# Altium PCB RT_SUPER_HOST.pcbdoc
Units mil, origin at the board's own origin, x right, y up, seen from the top; angles counter-clockwise.
Board outline 6000.21 x 6000.21 mil, 2 copper layers (Top Layer, Bottom Layer), stack 95.8 mil thick; 64 components, 93 nets, 445 pads, 0 vias.
Unrouted connection lines stored in the file: 254.
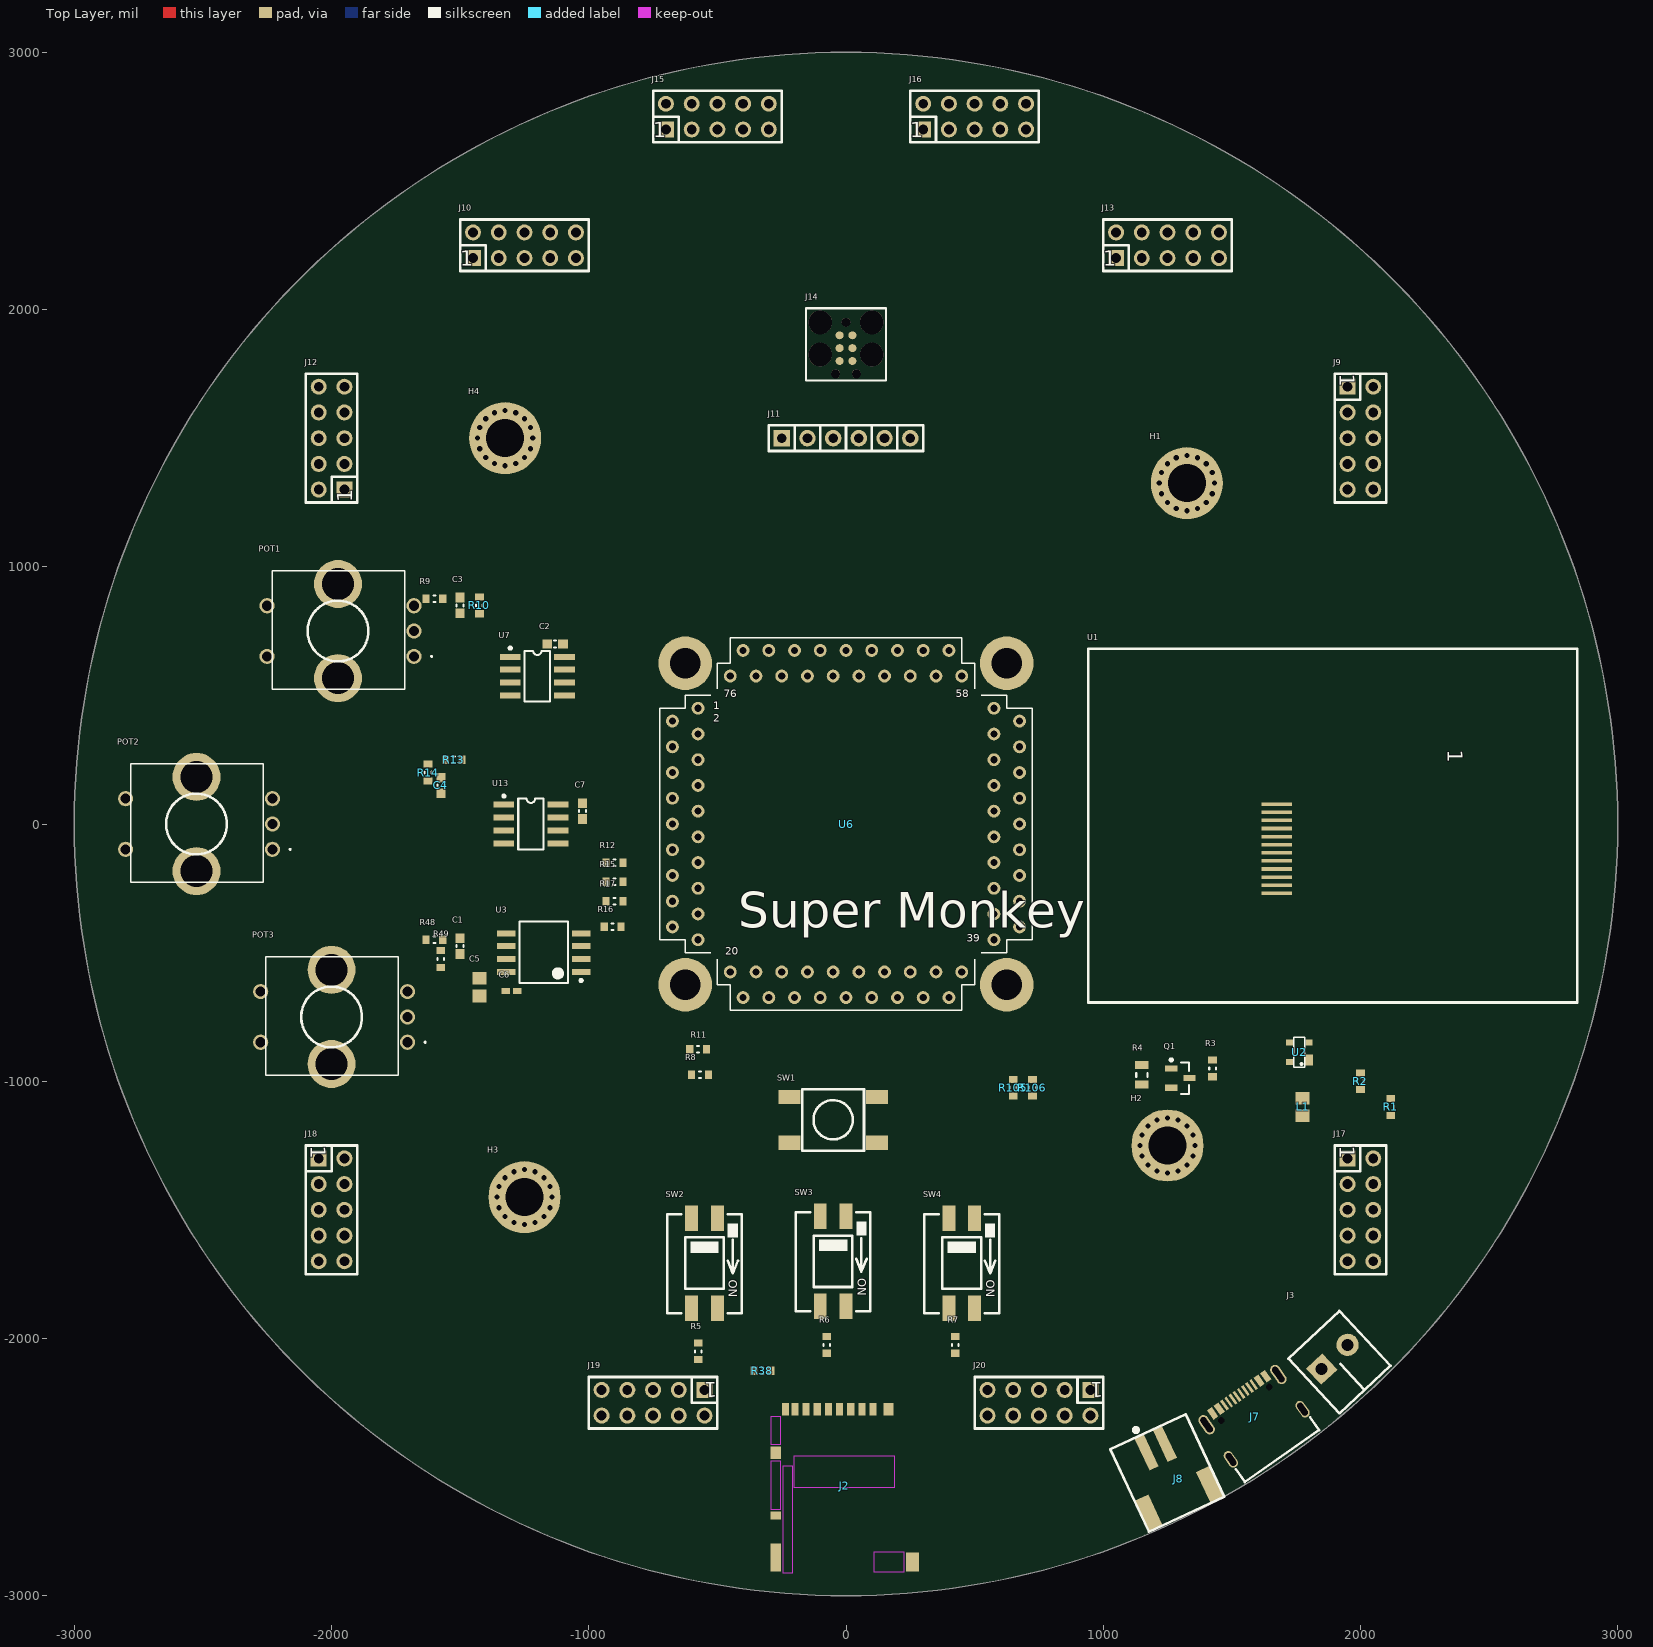
[diagram p0: Top Layer view]
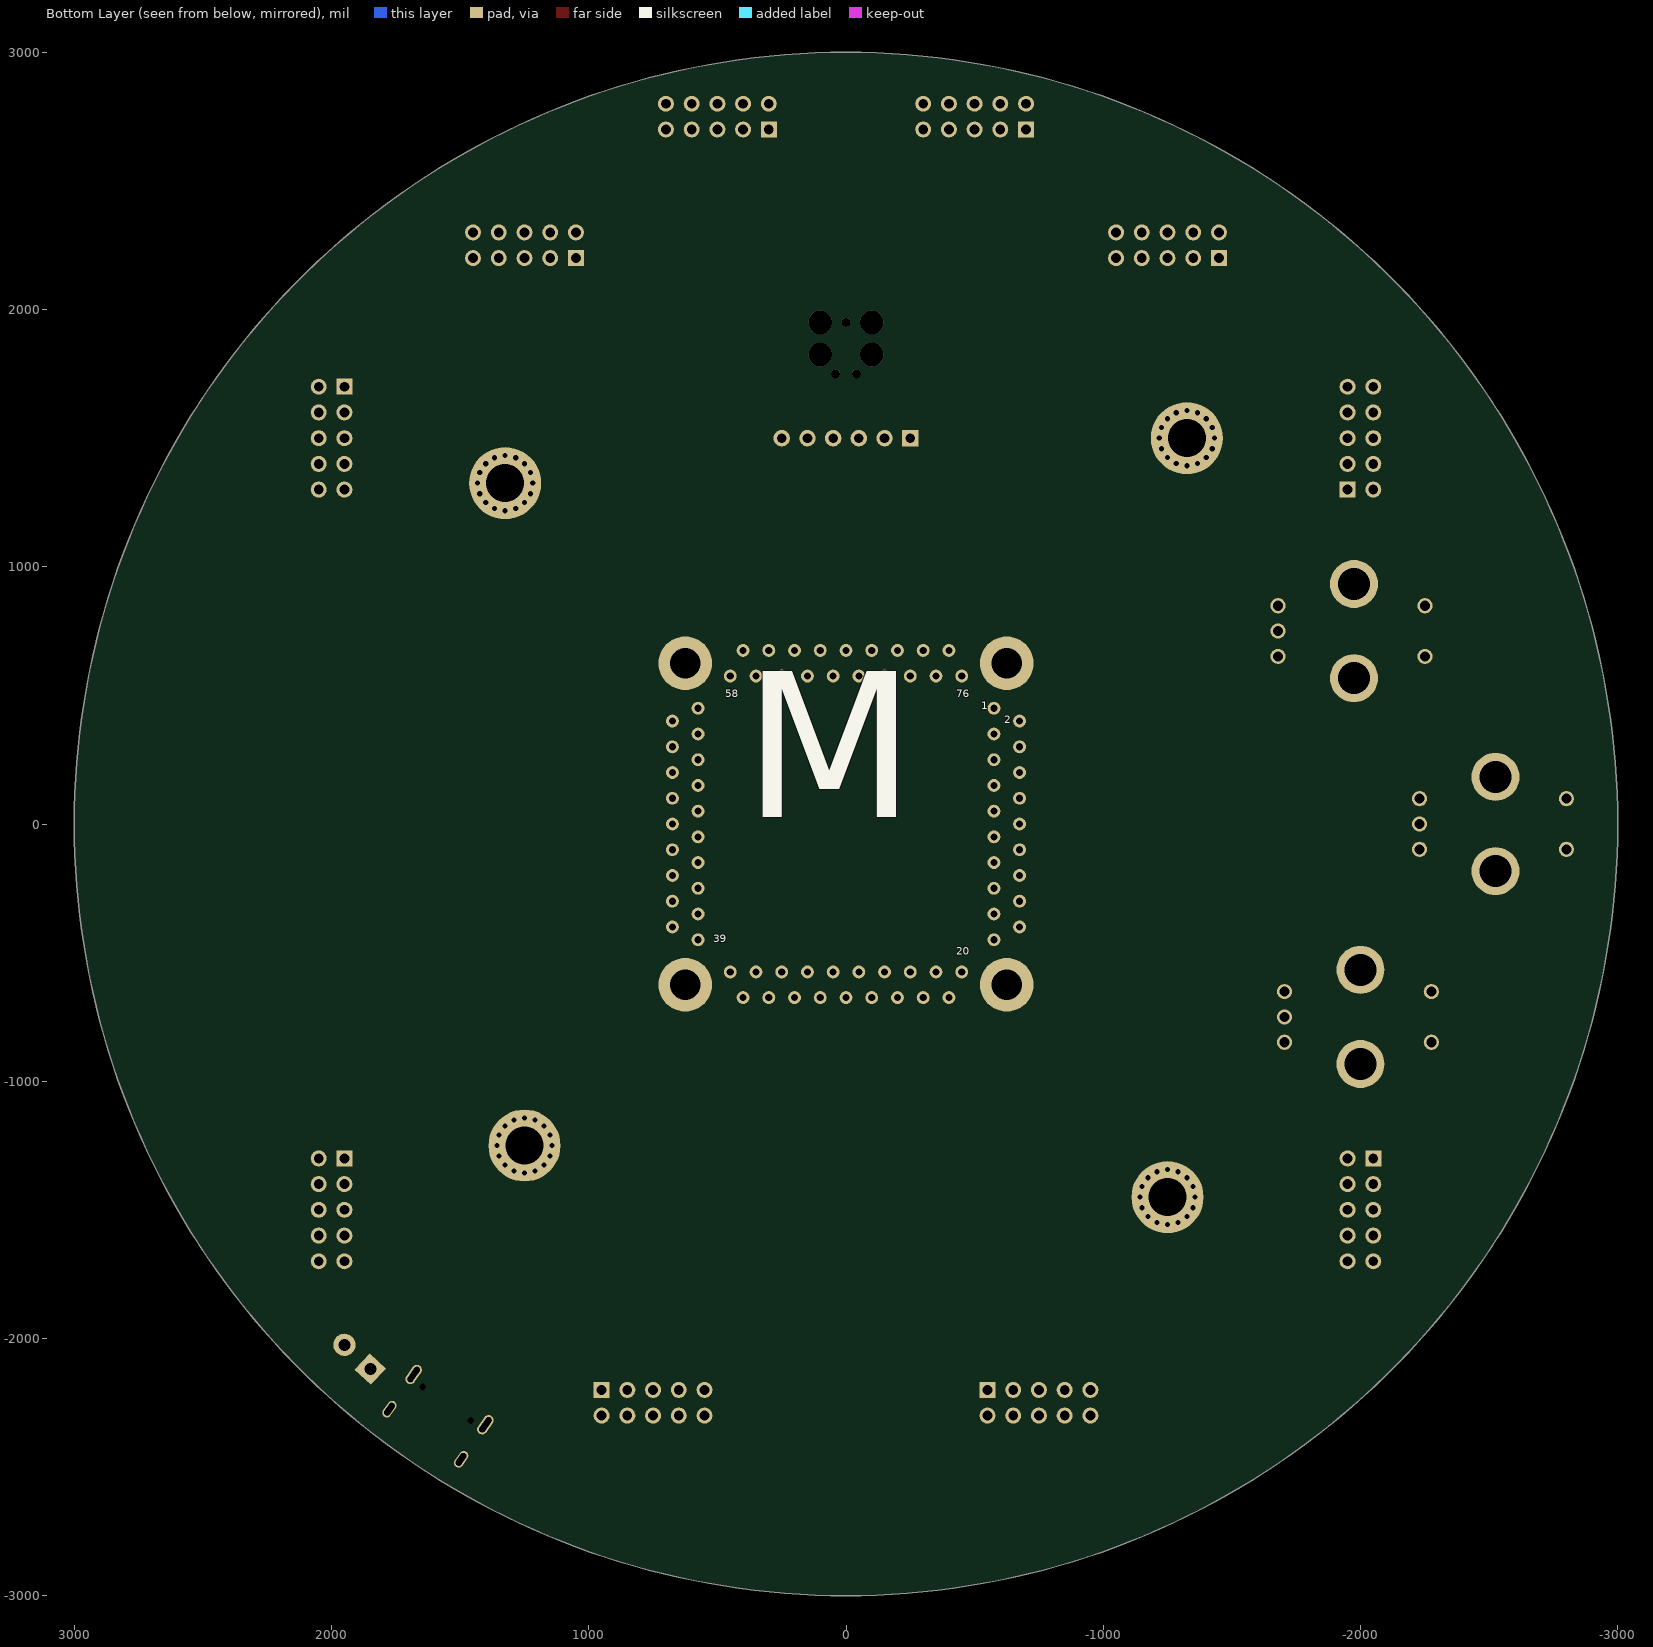
[diagram p1: Bottom Layer view, seen from below]

## Layer stack, top to bottom
Top Solder: solder mask 0.4, Solder Resist, Dk 3.5
Top Layer: signal copper 1.4
Dielectric 1: dielectric 93, FR-4, Dk 4.8
Bottom Layer: signal copper 1.4
Bottom Solder: solder mask 0.4, Solder Resist, Dk 3.5

## Board outline
-3000.1,0 ccw(c0,0) 0,-3000.1 ccw(c0,0) 3000.1,0 ccw(c0,0) 0,3000.1 ccw(c0,0)

## Design rules (kind name [scope] priority, off if disabled: settings)
Clearance [All] p1: gap=6 ignorepadtopadclearanceinfootprint=FALSE except(10: Arc-Poly Track-Poly SMDPad-Poly THPad-Poly Via-Poly Fill-Poly Poly-Poly)
DiffPairsRouting [All] p1: maxlimit=10 minlimit=10 mostfreqgap=10 toplayer_minwidth=15 toplayer_maxwidth=15 toplayer_prefwidth=15 bottomlayer_minwidth=15 bottomlayer_maxwidth=15 bottomlayer_prefwidth=15 maxuncoupledlength=500
Height [All] p1: minheight=0 maxheight=2000 prefheight=500
PolygonConnect [All] p1: connectstyle=Relief reliefconductorwidth=10 reliefentries=4 polygonreliefangle="90 Angle" airgapwidth=10
RoutingVias [All] p1: holewidth=28 width=50 viastyle="Through Hole" minholewidth=28 minwidth=50 maxholewidth=28 maxwidth=50
SolderMaskExpansion [All] p1: expansion=4 istentingtop=FALSE
Width [All] p1: maxlimit=10 minlimit=10 preferedwidth=10
28 further rules are at their usual default settings.

## Classes and differential pairs
differential pair USB: +USB_P -USB_N

## Components (designator, comment, footprint, x,y, rotation, side; value= is the part's Value field where it differs from the comment)
C1 "0.1µF" C0603_0.90MM_MD -1500,-475 r90 top
C2 "0.1µF" C0603_0.90MM_MD -1130.51,700 r0 top
C3 "0.1µF" C0603_0.90MM_MD -1500,850 r90 top
C4 "0.1µF" C0603_0.90MM_MD -1575,150 r90 top
C5 "4.7µF" C0805_1.45MM_MD -1425,-634.45 r270 top
C6 "0.1µF" C0402_0.55MM_MD -1300,-650 r0 top
C7 "0.1µF" C0603_0.90MM_MD -1025,50 r90 top
H1 "*" "6-32 X 250" 1325,1325 r180 top value=6-32
H2 "*" "6-32 X 250" 1250,-1250 r180 top value=6-32
H3 "*" "6-32 X 250" -1250,-1450.66 r180 top value=6-32
H4 "*" "6-32 X 250" -1325,1500 r180 top value=6-32
J2 "DM3AT-SF-PEJM5" DM3AT-SF-PEJM5 -21.06,-2906.89 r0 top
J3 "1984617" 1984617 1899.61,-2071.99 r43 top
J7 "=Value" 12402012E212A 1694.39,-2456.4 r35 top
J8 "S2B-PH-SM4-TB(LF)(SN)" S2B-PH-SM4-TB(LF)(SN) 1250,-2525 r205 top
J9 "HDR_2x5" "HEADER 2X5 .100\"" 2000,1500 r270 top
J10 "HDR_2x5" "HEADER 2X5 .100\"" -1250,2250 r0 top
J11 "TSM-106-01-T-SV" 0901200126 0,1500 r0 top
J12 "HDR_2x5" "HEADER 2X5 .100\"" -2000,1500 r90 top
J13 "HDR_2x5" "HEADER 2X5 .100\"" 1250,2250 r0 top
J14 "TC2030‐CTL‐NL" TC2030 -160,2010 r270 top
J15 "HDR_2x5" "HEADER 2X5 .100\"" -500,2750 r0 top
J16 "HDR_2x5" "HEADER 2X5 .100\"" 500,2750 r0 top
J17 "HDR_2x5" "HEADER 2X5 .100\"" 2000,-1500 r270 top
J18 "HDR_2x5" "HEADER 2X5 .100\"" -2000,-1500 r270 top
J19 "HDR_2x5" "HEADER 2X5 .100\"" -750,-2250 r180 top
J20 "HDR_2x5" "HEADER 2X5 .100\"" 750,-2250 r180 top
L1 "CBC2012T4R7M" C0805_1.45MM_MD 1775,-1100 r90 top
POT1 "PRS11R-425F-S103B1" PRS11R425FS103B1 -1975,750 r90 top
POT2 "PRS11R-425F-S103B1" PRS11R425FS103B1 -2525,0 r90 top
POT3 "PRS11R-425F-S103B1" PRS11R425FS103B1 -2000,-750 r90 top
Q1 "FDV305N" SOT-23 1299.85,-987.82 r0 top
R1 "5.1k" R0603_0.55MM_MD 2117.52,-1100 r90 top
R2 "5.1k" R0603_0.55MM_MD 2000,-1000 r90 top
R3 "33" R0603_0.55MM_MD 1425,-950 r90 top
R4 "100k" R0805_0.65MM_MD 1150,-975 r270 top value=1k
R5 "1k" R0603_0.55MM_MD -575,-2050 r270 top
R6 "1k" R0603_0.55MM_MD -75,-2025 r270 top
R7 "1k" R0603_0.55MM_MD 425,-2025 r270 top
R8 "0" R0603_0.55MM_MD -567.52,-975 r180 top
R9 "0" R0603_0.55MM_MD -1600,875 r0 top
R10 "100k" R0603_0.55MM_MD -1425,850 r90 top
R11 "0" R0603_0.55MM_MD -575,-875 r180 top
R12 "0" R0603_0.55MM_MD -900,-150 r180 top
R13 "0" R0603_0.55MM_MD -1525,250 r180 top
R14 "100k" R0603_0.55MM_MD -1625,200 r90 top
R15 "0" R0603_0.55MM_MD -900,-225 r180 top
R16 "0" R0603_0.55MM_MD -907.48,-400 r180 top
R17 "0" R0603_0.55MM_MD -900,-300 r180 top
R38 "100k" R0603_0.55MM_MD -325,-2125 r0 top
R48 "0" R0603_0.55MM_MD -1600,-450 r0 top
R49 "100k" R0603_0.55MM_MD -1575,-525 r90 top
R105 "2.2k" R0603_0.55MM_MD 650,-1025 r90 top
R106 "2.2k" R0603_0.55MM_MD 725,-1025 r90 top
SW1 "FSM4JSMATR" FSM4JSMA -50,-1150 r270 top
SW2 "SWITCH DIP DPST 1POS SMT" "CTS 1-POS DPST" -500,-1882.18 r180 top value=204-211ST
SW3 "SWITCH DIP DPST 1POS SMT" "CTS 1-POS DPST" 0,-1875 r180 top value=204-211ST
SW4 "SWITCH DIP DPST 1POS SMT" "CTS 1-POS DPST" 500,-1882.18 r180 top value=204-211ST
U1 "ER-TFT1.54-1" ER-TFT020-2 1675,-96.26 r270 top
U2 "PRTR5V0U2X,215" SOT143B 1800,-917 r90 top
U3 "W25Q64JVSIM" SOIC127P830X200-8L -1175,-500 r180 top
U6 "=Value" RT_SUPER_C 0,0 r0 top
U7 "MCP6002-I/SN" "SOIC 8" -1200,575 r270 top
U13 "MCP6002-I/SN" "SOIC 8" -1225,0 r270 top

## Footprints (in the part's own frame and the unit in brackets; to place one, negate y for a bottom-side part, rotate by r counter-clockwise, add the part's x,y. Pads: shape width x height; smd on the part's side, far side on the other; paste and mask are expansions set on the pad)
"6-32 X 250" [mil] "6-32 X 250 Length Philip Pan Head Machine Screw"
  round 30 hole 20: 1(-107,0) 1(-98.86,-40.95) 1(-98.86,40.95) 1(-75.66,75.66) 1(-75.66,-75.66) 1(-40.95,98.86) 1(-40.95,-98.86) 1(0,107) 1(0,-107) 1(40.95,98.86) 1(40.95,-98.86) 1(75.66,75.66) 1(75.66,-75.66) 1(98.86,-40.95) 1(98.86,40.95) 1(107,0)
  round 280 hole 148: 1(0,0)
  body extent -135,-135 135,135, height 93
1984617 [mm] "Phoenix 2-pin 3.5mm screw terminal"
  rect 2.2x2.2 hole 1.2: 1(-1.75,0)
  round 2.2 hole 1.2: 2(1.75,0)
  silkscreen extent -3.45,-4.4 3.45,3, body extent -3.51,-4.5 4.06,3.1, height 9.05
12402012E212A [mm] "USB-C  2.0"
  round 0 hole 0.65: 71(2.89,6.28) ALIGN1(-2.89,6.28)
  rect 0.575x1.15 smd: A1B12(-3.2,7.355) A4B9(-2.4,7.355) B1A12(3.2,7.355) B4A9(2.4,7.355)
  rect 0.275x1.15 smd: A5(-1.25,7.355) A6(-0.25,7.355) A7(0.25,7.355) A8(1.25,7.355) B5(1.75,7.355) B6(0.75,7.355) B7(-0.75,7.355) B8(-1.75,7.355)
  oval 1x2.1 hole 0.6 slot 1.7 at 90 deg: M1(-4.32,6.78) M2(4.32,6.78)
  oval 0.9x1.8 hole 0.6 slot 1.4 at 90 deg: M3(-4.32,2.6) M4(4.32,2.6)
  silkscreen extent -4.47,-0.03 4.47,1.52, body extent -4.47,-0.02 4.47,7.58, height 3.27
0901200126 [mil] "CONN HEADER 6POS .100\" STR TIN"
  rect 64x64 hole 38: 1(-250,0)
  round 64 hole 38: 2(-150,0) 3(-50,0) 4(50,0) 5(150,0) 6(250,0)
  silkscreen extent -300,-50 300,50, body extent -305,-50 300,50, height 330
C0402_0.55MM_MD [mm] "Capacitor - 0402 - Medium Density"
  rect 0.85x0.6 smd: 1(-0.575,0) 2(0.575,0)
  body extent -0.5,-0.25 0.5,0.25, height 0.55
C0603_0.90MM_MD [mm] "Capacitor 0603 - Medium Density"
  rect 0.95x0.9 smd: 1(-0.775,0) 2(0.775,0)
  silkscreen extent -0.1,-0.35 0.1,0.35, body extent -0.8,-0.4 0.8,0.4, height 0.9
C0805_1.45MM_MD [mm] "Capacitor - 0805 - Medium Density"
  rect 1.25x1.4 smd: 1(-0.875,0) 2(0.875,0)
  body extent -1,-0.62 1,0.63, height 1.45
"CTS 1-POS DPST" [mil] "CTS 1-POS DPST"
  rect 50x100 smd: 1(0,0) 2(0,-350) 3(100,0) 4(100,-350)
  silkscreen extent -95,-365 195,20, body extent -93,-379 194,31, height 395
DM3AT-SF-PEJM5 [mm] "Hirose DM3AT-SF-PEJM5 uSD connector - Normal Mount"
  rect 0.7x1.2 smd: 1(3.2,16.05) 2(2.1,16.05) 3(1,16.05) 4(-0.1,16.05) 5(-1.2,16.05) 6(-2.3,16.05) 7(-3.4,16.05) 8(-4.5,16.05) CDB(-5.45,16.05)
  rect 1x0.8 smd: CDA(-6.4,5.55)
  rect 1x2.8 smd: M(-6.4,1.4)
  rect 1x1.2 smd: M(-6.4,11.75) M(4.75,16.05)
  rect 1.3x1.9 smd: M(7.1,0.95)
  Top Layer keep-out region: 3.275,0 6.275,0 6.275,1.9 3.275,1.9
  Top Layer keep-out region: -6.9,12.573 -5.9,12.573 -5.9,15.325 -6.9,15.325
  Top Layer keep-out region: -6.9,6.171 -5.9,6.171 -5.9,10.921 -6.9,10.921
  Top Layer keep-out region: -5.7,-0.101 -4.7,-0.101 -4.7,10.399 -5.7,10.399
  Top Layer keep-out region: -4.648,8.35 5.325,8.35 5.325,11.4 -4.648,11.4
  body extent -6.49,0 7.36,16.15, height 1.68
ER-TFT020-2 [mm]
  rect 0.35x3 smd: 1(4.4,0) 2(3.6,0) 3(2.8,0) 4(2,0) 5(1.2,0) 6(0.4,0) 7(-0.4,0) 8(-1.2,0) 9(-2,0) 10(-2.8,0) 11(-3.6,0) 12(-4.4,0)
  silkscreen extent -19.74,-18.62 15.18,29.64
FSM4JSMA [mil] "SWITCH TACTILE SPST-NO 0.05A 12V"
  rect 55x85 smd: A(-89,170) A(-89,-170) B(89,170) B(89,-170)
  silkscreen extent -119,-120 121,120, body extent -118,-198 118,196, height 200
"HEADER 2X5 .100\"" [mil]
  rect 62x62 hole 38: 1(-200,-50)
  round 62 hole 38: 2(-200,50) 3(-100,-50) 4(-100,50) 5(0,-50) 6(0,50) 7(100,-50) 8(100,50) 9(200,-50) 10(200,50)
  silkscreen extent -250,-100 250,100
PRS11R425FS103B1 [mm]
  round 1.5 hole 1: 1(-2.5,-7.5) 2(0,-7.5) 3(2.5,-7.5) 4(-2.5,7) 5(2.5,7)
  round 4.74 hole 3.16: MH1(-4.65,0) MH2(4.65,0)
  silkscreen extent -5.75,-9.3 5.95,6.49, body extent -5.75,-6.61 5.95,6.49, height 31.8
R0603_0.55MM_MD [mm] "Resistor 0603 Medium Density"
  rect 0.7x0.85 smd: 1(-0.825,0) 2(0.825,0)
  silkscreen extent -0.1,-0.33 0.1,0.33, body extent -0.8,-0.4 0.8,0.4, height 0.55
R0805_0.65MM_MD [mm] "Resistor 0805 Medium Density"
  rect 0.8x1.3 smd: 1(-0.975,0) 2(0.975,0)
  silkscreen extent -0.2,-0.55 0.2,0.55, body extent -1,-0.63 1,0.63, height 0.65
RT_SUPER_C [mil]
  round 50 hole 28: 1(-575,450) 2(-675,400) 3(-575,350) 4(-675,300) 5(-575,250) 6(-675,200) 7(-575,150) 8(-675,100) 9(-575,50) 10(-675,0) 11(-575,-50) 12(-675,-100) 13(-575,-150) 14(-675,-200) 15(-575,-250) 16(-675,-300) 17(-575,-350) 18(-675,-400) 19(-575,-450) 20(-450,-575) 21(-400,-675) 22(-350,-575) 23(-300,-675) 24(-250,-575) 25(-200,-675) 26(-150,-575) 27(-100,-675) 28(-50,-575) 29(0,-675) 30(50,-575) 31(100,-675) 32(150,-575) 33(200,-675) 34(250,-575) 35(300,-675) 36(350,-575) 37(400,-675) 38(450,-575) 39(575,-450) 40(675,-400) 41(575,-350) 42(675,-300) 43(575,-250) 44(675,-200) 45(575,-150) 46(675,-100) 47(575,-50) 48(675,0) 49(575,50) 50(675,100) 51(575,150) 52(675,200) 53(575,250) 54(675,300) 55(575,350) 56(675,400) 57(575,450) 58(450,575) 59(400,675) 60(350,575) 61(300,675) 62(250,575) 63(200,675) 64(150,575) 65(100,675) 66(50,575) 67(0,675) 68(-50,575) 69(-100,675) 70(-150,575) 71(-200,675) 72(-250,575) 73(-300,675) 74(-350,575) 75(-400,675) 76(-450,575)
  round 208.66 hole 118.11: M(-625,-625) M(-625,625) M(625,-625) M(625,625)
  silkscreen extent -725,-725 725,725, body extent -725,-725 725,725, height 466
S2B-PH-SM4-TB(LF)(SN) [mm] "CONN HEADER PH SIDE 2POS 2MM SMD"
  rect 1x3.5 smd: 1(1,-2.75) 2(-1,-2.75)
  rect 1.5x3.4 smd: M1(3.35,2.75) M2(-3.35,2.75)
  silkscreen extent -4.1,-5.41 4.1,4.45, body extent -3.97,-4.39 3.93,4.21, height 5.6
SOIC127P830X200-8L [mm] "SOIC, 8-Leads, Body 6.1x6.2mm (max), Pitch 1.27mm, IPC High Density"
  rect 1.8x0.6 smd: 1(-3.7,1.905) 2(-3.7,0.635) 3(-3.7,-0.635) 4(-3.7,-1.905) 5(3.7,-1.905) 6(3.7,-0.635) 7(3.7,0.635) 8(3.7,1.905)
  silkscreen extent -3.83,-3.05 2.4,3, body extent -4.2,-2.7 4.2,2.68, height 2.3
"SOIC 8" [mm]
  rect 0.6x2.05 smd: 1(-1.905,-2.675) 2(-0.635,-2.675) 3(0.635,-2.675) 4(1.905,-2.675) 5(1.905,2.675) 6(0.635,2.675) 7(-0.635,2.675) 8(-1.905,2.675)
  silkscreen extent -2.88,-2.8 2.5,1.25, body extent -2.49,-3.19 2.51,3.14, height 1.88
SOT143B [mm] "SOT143B"
  rect 1.1x0.8 smd: 1(0,0)
  rect 0.6x0.7 smd: 2(1.702,0) 3(1.702,1.9) 4(-0.2,1.9)
  silkscreen extent -0.71,0.43 2.21,1.52, body extent -0.7,-0.27 2.22,2.15, height 1
SOT-23 [mm] "SOT-23"
  rect 1.2x0.6 smd: 1(-0.9,0.95) 2(-0.9,-0.95) 3(0.9,0)
  silkscreen extent -1.02,-1.55 0.87,1.92, body extent -1.27,-1.5 1.23,1.5, height 1.07
TC2030 [mil] "TC2030-MCP"
  round 31 smd paste-40: 1(110,135) 2(110,185) 3(160,135) 4(160,185) 5(210,135) 6(210,185)
  round 34 hole 35 unplated: A(60,160) B(260,200) C(260,120)
  round 92 hole 93 unplated: D(60,60) E(185,60) F(60,260) G(185,260)
  silkscreen extent 5,5 285,315

## Part data
C1 C2 C3 C4 C7: library part CGA3E2X7R1E104M080AA, "CAP CER 0.1UF 25V X7R 0603", MANUFACTURER="TDK Corporation", Operating Temperature="-55°C ~ 125°C", Package=0603, Ratings=AEC-Q200, Supplier Part Number 1=445-12541-1-ND, Temperature Coefficient=X7R, Tolerance=±20%, Voltage - Rated=25V, Category=Capacitors, ComponentLink1Description="Datasheet (Internal)", ComponentLink1URL=datasheets\TDK\mlcc_automotive_general_en.pdf, ComponentLink2Description="Datasheet (External)", ComponentLink2URL=https://product.tdk.com/info/en/catalog/datasheets/mlcc_automotive_general_en.pdf, Features=-, Manufacturer Part Number=CGA3E2X7R1E104M080AA, Substitution Notes="0.1µF , 25V , ±20% , X7R , -55°C ~ 125°C , AEC-Q200 , 0603", Supplier 1=Digikey, Thickness (Max)=0.90MM
C5: library part CGA4J3X7R1A475K125AB, "CAP CER 4.7UF 10V X7R 0805", MANUFACTURER="TDK Corporation", Operating Temperature="-55°C ~ 125°C", Package=0805, Ratings=AEC-Q200, Supplier Part Number 1=445-12730-1-ND, Temperature Coefficient=X7R, Tolerance=±10%, Voltage - Rated=10V, Category=Capacitors, ComponentLink1Description="Datasheet (Internal)", ComponentLink1URL=datasheets\TDK\mlcc_automotive_general_en.pdf, ComponentLink2Description="Datasheet (External)", ComponentLink2URL=https://product.tdk.com/info/en/catalog/datasheets/mlcc_automotive_general_en.pdf, Features=-, Manufacturer Part Number=CGA4J3X7R1A475K125AB, Substitution Notes="4.7µF , 10V , ±10% , X7R , -55°C ~ 125°C , AEC-Q200 , 0805", Supplier 1=Digikey, Thickness (Max)=1.45MM
C6: library part CGA2B1X7R1C104K050BC, "CAP CER 0.1UF 16V X7R 0402", MANUFACTURER="TDK Corporation", Operating Temperature="-55°C ~ 125°C", Package=0402, Ratings=AEC-Q200, Supplier Part Number 1=445-5613-1-ND, Temperature Coefficient=X7R, Tolerance=±10%, Voltage - Rated=16V, Category=Capacitors, ComponentLink1Description="Datasheet (Internal)", ComponentLink1URL=datasheets\TDK\mlcc_automotive_general_en.pdf, ComponentLink2Description="Datasheet (External)", ComponentLink2URL=https://product.tdk.com/info/en/catalog/datasheets/mlcc_automotive_general_en.pdf, Features=-, Manufacturer Part Number=CGA2B1X7R1C104K050BC, Substitution Notes="0.1µF , 16V , ±10% , X7R , -55°C ~ 125°C , AEC-Q200 , 0402", Supplier 1=Digikey, Thickness (Max)=0.55MM
H1 H2 H3 H4: library part 6-32
J2: "CONN MICRO SD R/A PUSH-PUSH SMD", MANUFACTURER="Hirose Electric Co Ltd", Supplier Part Number 1=HR1964CT-ND, Card Type="Secure Digital - microSD™", Category="Connectors, Interconnects", ComponentLink1Description=http://www.hirose.co.jp/cataloge_hp/e60900232.pdf, ComponentLink1URL=http://www.hirose.co.jp/cataloge_hp/e60900232.pdf, Connector Type="Connector and Ejector", Contact Finish=Gold, Contact Finish Thickness=-, Ejector Side=-, Features=Switch, Height Above Board="0.066\" (1.68mm)", Insertion, Removal Method="Push In, Push Out", Manufacturer Part Number=DM3AT-SF-PEJM5, Mounting Feature="Normal, Standard - Top", Mounting Type="Surface Mount, Right Angle", Number of Positions="10 (8 + 2)", Packaging="Cut Tape (CT)", Pricing="1=2.83, 10=2.72, 25=2.4932, 50=2.3798, 100=2.2664, 250=1.98312, 500=1.92648 (USD)", RoHS="RoHS Compliant", Stock=28699, Supplier 1=Digi-Key
J3: "CONN TERM BLOCK T/H 2POS 3.5MM", Color=Green, Current=10A, MANUFACTURER="Phoenix Contact", Operating Temperature=-, Supplier Part Number 1=277-1721-ND, Voltage=300V, Category="Connectors, Interconnects", Clamp Material - Plating=-, ComponentLink1Description=http://media.digikey.com/pdf/Data%20Sheets/Phoenix%20Contact%20PDFs/1984617.pdf, ComponentLink1URL=http://media.digikey.com/pdf/Data%20Sheets/Phoenix%20Contact%20PDFs/1984617.pdf, Contact Material - Plating=-, Features="Interlocking (Side)", Housing Material="Polyamide (PA), Nylon", Manufacturer Part Number=1984617, Mating Orientation="Horizontal with Board", Mounting Type="Through Hole", Number of Levels=1, Packaging=Bulk, Pitch="0.138\" (3.50mm)", Positions Per Level=2, Pricing 1="1=0.34, 10=0.322, 50=0.308, 100=0.2996, 250=0.28, 500=0.2576, 1000=0.238 (USD)", RoHS="RoHS Compliant", Screw Material - Plating=-, Screw Thread=M2, Stock 1=10915, Supplier 1=Digi-Key, Torque - Screw="0.22-0.25 Nm (1.9-2.2 Lb-In)", Wire Gauge="16-26 AWG", Wire Termination="Screw - Rising Cage Clamp"
J7: library part 12402012E212A, MANUFACTURER=Amphenol, Supplier Part Number 1=523-12402012E212A, Category=Connectors, Manufacturer Part Number=12402012E212A, Pricing="1=0.98000, 10=0.77400, 50=0.77400, 100=0.67300, 1000=0.53800, 10000=0.43700 (USD)", RoHS=No, Stock 1=6869, Supplier 1=Mouser
J8: "CONN HEADER PH SIDE 2POS 2MM SMD", Color=Natural, MANUFACTURER="JST Sales America Inc", Supplier Part Number 1=455-1749-1-ND, Category="Connectors, Interconnects", ComponentLink1Description=http://www.jst-mfg.com/product/pdf/eng/ePH.pdf, ComponentLink1URL=http://www.jst-mfg.com/product/pdf/eng/ePH.pdf, Connector Type="Header, Shrouded", Contact Finish=Tin, Contact Finish Thickness=-, Contact Mating Length=-, Contact Type="Male Pin", Fastening Type=-, Features="Solder Retention", Manufacturer Part Number=S2B-PH-SM4-TB(LF)(SN), Mounting Type="Surface Mount, Right Angle", Number of Positions=2, Number of Positions Loaded=All, Number of Rows=1, Packaging="Cut Tape (CT)", Pitch="0.079\" (2.00mm)", Pricing 1="1=0.5, 10=0.457, 100=0.3809, 500=0.3047 (USD)", RoHS="RoHS Compliant", Row Spacing=-, Stock 1=17700, Supplier 1=Digi-Key, Termination=Solder
J9 J10 J12 J13 J15 J16 J17 J18 J19 J20: "2x5 Header .100\"", Pricing="1=0.16000, 10=0.15400, 100=0.09510, 500=0.07872, 1000=0.06888, 5000=0.05904, 10000=0.05740 (USD)"
J11: library part "FTDI TTL-232R", "CONN HEADER 6POS .100\" SNGL SMD", Color=Black, MANUFACTURER="Samtec Inc.", Supplier Part Number 1=SAM8987-ND, Category=Connectors, CategorySort=800, ComponentLink1Description=http://suddendocs.samtec.com/prints/tsm-1xx-xx-xxx-sv-xx-xxx-xx-mkt.pdf, ComponentLink1URL=http://suddendocs.samtec.com/prints/tsm-1xx-xx-xxx-sv-xx-xxx-xx-mkt.pdf, Connector Type="Header, Unshrouded", Contact Finish=Tin, Contact Finish Thickness=-, Contact Mating Length="0.230\" (5.84mm)", Contact Type="Male Pin", Fastening Type=-, Features=-, Manufacturer Part Number=TSM-106-01-T-SV, Mounting Type="Surface Mount", Number of Positions=6, Number of Positions Loaded=All, Number of Rows=1, Packaging=Tube, Part Status=Active, Pitch="0.100\" (2.54mm)", Pricing 1="1=0.69, 10=0.537, 50=0.455, 100=0.4095, 250=0.3458, 500=0.3276, 1000=0.2912, 2500=0.24206, 5000=0.2366 (USD)", RoHS="RoHS Compliant", Row Spacing=-, Stock 1=137, Supplier 1=Digi-Key, Termination=Solder
J14: library part TC2030-FTDI-TTL-232R-3V3, "Tag Connect Pads - No latching Clips - ARM"
L1: "FIXED IND 4.7UH 520MA 650 MOHM", Case Code (Imperial)=0805, Case Code (Metric)=2012, Current Rating=520mA, DC Resistance (DCR)=650mR, Inductance=4.7uH, Inductance Tolerance=20%, MANUFACTURER="Taiyo Yuden", Max Operating Temperature=105°C, Min Operating Temperature=-40°C, Package Quantity=3000, Saturation Current=360mA, Self Resonant Frequency=45MHz, Supplier Part Number 1=587-1602-1-ND, Test Frequency=7.96MHz, Case/Package=0805, ComponentLink1Description=https://datasheet.ciiva.com/15981/214cbc2012t4r7m-15981637.pdf?src-supplier=Onlinecomponents.com, ComponentLink1URL=https://datasheet.ciiva.com/15981/214cbc2012t4r7m-15981637.pdf?src-supplier=Onlinecomponents.com, ComponentLink2Description=https://datasheet.ciiva.com/1040/cbc2012t4r7m-ss-1040456.pdf?src-supplier=Digi-Key, ComponentLink2URL=https://datasheet.ciiva.com/1040/cbc2012t4r7m-ss-1040456.pdf?src-supplier=Digi-Key, ComponentLink3Description=https://datasheet.ciiva.com/8505/cbc2012t4r7m-ss-8505656.pdf?src-supplier=Avnet, ComponentLink3URL=https://datasheet.ciiva.com/8505/cbc2012t4r7m-ss-8505656.pdf?src-supplier=Avnet, ComponentLink4Description=https://datasheet.ciiva.com/8001/wound02-e-8001849.pdf?src-supplier=Element14, ComponentLink4URL=https://datasheet.ciiva.com/8001/wound02-e-8001849.pdf?src-supplier=Element14, Composition=Wirewound, Core Material=Ferrite, Halogen Free="Halogen Free", Height=1.25mm, Height - Seated (Max)=0.057inch, Lead Free=Exempt, Length=0.079inch, Manufacturer Part Number=CBC2012T4R7M, Max DC Current=520mA, Mount="Surface Mount", Number of Pins=2, Packaging="Tape and Reel", Pricing 1="1=0.24000, 10=0.21600, 100=0.14860, 500=0.12702, 1000=0.09729 (USD)", REACH SVHC="No SVHC", RoHS=Yes, Shielding=Unshielded, Stock 1=7720, Supplier 1=Digi-Key, Termination=SMD/SMT, Tolerance=20%, Width=0.049inch
POT1 POT2 POT3: "10k Pot w/ Momentary Switch - 25mm Length", MANUFACTURER=Bourns, Supplier Part Number 1=652-PRS11R425FS103B1, Manufacturer Part Number=PRS11R-425F-S103B1, Pricing="1=3.76000, 10=3.30000, 50=3.30000, 100=2.70000, 1000=1.82000, 10000=1.70000 (USD)", RoHS=No, Stock 1=729, Supplier 1=Mouser
Q1: library part FDV305, "MOSFET N-CH 20V 0.9A SOT-23", MANUFACTURER="Fairchild Semiconductor", Source Part Number=FDV305NCT-ND, Manufacturer Part Number=FDV305N, Source=Digikey
R1 R2: library part ERJ-3EKF5101V, "RES 5.1K OHM 1/10W 1% 0603 SMD", Limiting Element Voltage=75, MANUFACTURER="Panasonic Electronic Components", Maximum Overload Voltage=150, Maximum Working Voltage=22.6V, Package="0603 (1608 Metric)", Package Power="0603  (0.1W)", Power (Watts)="0.1W- 1/10W", Ratings=AEC-Q200, Sort Value=5100, Sort Value Package=603_5100, Supplier Package=0603, Supplier Part Number 1=P5.10KHCT-ND, Temperature Coefficient=±100ppm/°C, Tolerance=±1%, Category=Resistors, ComponentLink1Description="Internal Datasheet", ComponentLink1URL="datasheets\Panasonic Electronic Components\AOA0000CE2.pdf", ComponentLink2Description="External Datasheet", ComponentLink2URL=http://industrial.panasonic.com/www-data/pdf/AOA0000/AOA0000CE2.pdf, Composition="Thick Film", Features=-, Height=0.55MM, Manufacturer Part Number=ERJ-3EKF5101V, Number of Terminations=2, Packaging="Cut Tape (CT)", Resistance (Ohms)=5.1k, Size / Dimension="0.063\" L x 0.031\" W (1.60mm x 0.80mm)", Substitution Notes="5.1k , ±1% , 0603 , AEC-Q200", Supplier 1=Digi-Key
R3 R4: library part R, "0", ComponentLink1Description=http://industrial.panasonic.com/www-cgi/jvcr13pz.cgi?E+PZ+3+AOA0002+ERJ3EKF10R0V+7+WW, ComponentLink1URL=http://industrial.panasonic.com/www-cgi/jvcr13pz.cgi?E+PZ+3+AOA0002+ERJ3EKF10R0V+7+WW
R5 R6 R7: library part ERJ-3EKF1001V, "RES 1K OHM 1/10W 1% 0603 SMD", Limiting Element Voltage=75, MANUFACTURER="Panasonic Electronic Components", Maximum Overload Voltage=150, Maximum Working Voltage=10.0V, Package="0603 (1608 Metric)", Package Power="0603  (0.1W)", Power (Watts)="0.1W- 1/10W", Ratings=AEC-Q200, Sort Value=1000, Sort Value Package=603_1000, Supplier Package=0603, Supplier Part Number 1=P1.00KHCT-ND, Temperature Coefficient=±100ppm/°C, Tolerance=±1%, Category=Resistors, ComponentLink1Description="Internal Datasheet", ComponentLink1URL="datasheets\Panasonic Electronic Components\AOA0000CE2.pdf", ComponentLink2Description="External Datasheet", ComponentLink2URL=http://industrial.panasonic.com/www-data/pdf/AOA0000/AOA0000CE2.pdf, Composition="Thick Film", Features=-, Height=0.55MM, Manufacturer Part Number=ERJ-3EKF1001V, Number of Terminations=2, Packaging="Cut Tape (CT)", Resistance (Ohms)=1k, Size / Dimension="0.063\" L x 0.031\" W (1.60mm x 0.80mm)", Substitution Notes="1k , ±1% , 0603 , AEC-Q200", Supplier 1=Digi-Key
R8 R9 R11 R12 R13 R15 R16 R17 R48: library part ERJ-3GEY0R00V, "RES 0.0 OHM 1/10W JUMP 0603 SMD", Limiting Element Voltage=75, MANUFACTURER="Panasonic Electronic Components", Maximum Overload Voltage=150, Maximum Working Voltage=0.0V, Package="0603 (1608 Metric)", Package Power="0603  (0.1W)", Power (Watts)="0.1W- 1/10W", Ratings=AEC-Q200, Sort Value Package=603_0, Supplier Package=0603, Supplier Part Number 1=P0.0GCT-ND, Temperature Coefficient=-, Tolerance=Jumper, Category=Resistors, ComponentLink1Description="Internal Datasheet", ComponentLink1URL="datasheets\Panasonic Electronic Components\AOA0000CE1.pdf", ComponentLink2Description="External Datasheet", ComponentLink2URL=http://industrial.panasonic.com/www-data/pdf/AOA0000/AOA0000CE1.pdf, Composition="Thick Film", Features=-, Height=0.55MM, Manufacturer Part Number=ERJ-3GEY0R00V, Number of Terminations=2, Resistance (Ohms)=0, Size / Dimension="0.063\" L x 0.031\" W (1.60mm x 0.80mm)", Sort Value=0, Substitution Notes="0 , Jumper , 0603 , AEC-Q200", Supplier 1=Digi-Key
R10 R14 R38 R49: library part ERJ-3EKF1003V, "RES 100K OHM 1/10W 1% 0603 SMD", Limiting Element Voltage=75, MANUFACTURER="Panasonic Electronic Components", Maximum Overload Voltage=150, Maximum Working Voltage=75.0V, Package="0603 (1608 Metric)", Package Power="0603  (0.1W)", Power (Watts)="0.1W- 1/10W", Ratings=AEC-Q200, Sort Value=100000, Sort Value Package=603_100000, Supplier Package=0603, Supplier Part Number 1=P100KHCT-ND, Temperature Coefficient=±100ppm/°C, Tolerance=±1%, Category=Resistors, ComponentLink1Description="Internal Datasheet", ComponentLink1URL="datasheets\Panasonic Electronic Components\AOA0000CE2.pdf", ComponentLink2Description="External Datasheet", ComponentLink2URL=http://industrial.panasonic.com/www-data/pdf/AOA0000/AOA0000CE2.pdf, Composition="Thick Film", Features=-, Height=0.55MM, Manufacturer Part Number=ERJ-3EKF1003V, Number of Terminations=2, Packaging="Cut Tape (CT)", Resistance (Ohms)=100k, Size / Dimension="0.063\" L x 0.031\" W (1.60mm x 0.80mm)", Substitution Notes="100k , ±1% , 0603 , AEC-Q200", Supplier 1=Digi-Key
R105 R106: library part ERJ-3EKF2201V, "RES 2.2K OHM 1/10W 1% 0603 SMD", Limiting Element Voltage=75, MANUFACTURER="Panasonic Electronic Components", Maximum Overload Voltage=150, Maximum Working Voltage=14.8V, Package="0603 (1608 Metric)", Package Power="0603  (0.1W)", Power (Watts)="0.1W- 1/10W", Ratings=AEC-Q200, Sort Value=2200, Sort Value Package=603_2200, Supplier Package=0603, Supplier Part Number 1=P2.20KHCT-ND, Temperature Coefficient=±100ppm/°C, Tolerance=±1%, Category=Resistors, ComponentLink1Description="Internal Datasheet", ComponentLink1URL="datasheets\Panasonic Electronic Components\AOA0000CE2.pdf", ComponentLink2Description="External Datasheet", ComponentLink2URL=http://industrial.panasonic.com/www-data/pdf/AOA0000/AOA0000CE2.pdf, Composition="Thick Film", Features=-, Height=0.55MM, Manufacturer Part Number=ERJ-3EKF2201V, Number of Terminations=2, Packaging="Cut Tape (CT)", Resistance (Ohms)=2.2k, Size / Dimension="0.063\" L x 0.031\" W (1.60mm x 0.80mm)", Substitution Notes="2.2k , ±1% , 0603 , AEC-Q200", Supplier 1=Digi-Key
SW1: "SWITCH TACTILE SPST-NO 0.05A 12V", Contact Rating @ Voltage="0.05A @ 12VDC", MANUFACTURER="TE Connectivity", Operating Force=160gf, Supplier Part Number 1=450-1759-1-ND, Actuator Orientation="Top Actuated", Actuator Type=Standard, Category=Switches, Circuit=SPST-NO, ComponentLink1Description=http://documents.tycoelectronics.com/commerce/DocumentDelivery/DDEController?Action=srchrtrv&DocNm=2-1437565-7&DocType=CD&DocLang=EN, ComponentLink1URL=http://documents.tycoelectronics.com/commerce/DocumentDelivery/DDEController?Action=srchrtrv&DocNm=2-1437565-7&DocType=CD&DocLang=EN, Illumination=Non-Illuminated, Manufacturer Part Number=FSM4JSMATR, Mounting Type="Surface Mount", Outline="6.00mm x 6.00mm", Packaging="Cut Tape (CT)", Pricing 1="1=0.36, 10=0.34, 25=0.2912, 50=0.2474, 100=0.2377, 250=0.21344, 500=0.20374 (USD)", RoHS="RoHS Compliant", Stock 1=35617, Supplier 1=Digi-Key, Switch Function=Off-Mom, Termination Style="Gull Wing"
SW2 SW3 SW4: library part 204-211ST, Contact Rating @ Voltage="0.1A @ 50VDC", MANUFACTURER="CTS Corporation Resistor/Electrocomponents", Supplier Part Number 1=CT204211ST-ND, Actuator Level=Raised, Actuator Type=Standard, Category=Switches, Circuit=DPST, ComponentLink1Description=http://www.ctscorp.com/components/Datasheets/204.pdf, ComponentLink1URL=http://www.ctscorp.com/components/Datasheets/204.pdf, Manufacturer Part Number=204-211ST, Mounting Type="Surface Mount", Number of Positions=1, Orientation="Top Actuated", Pricing 1="1=1.42, 10=1.134, 100=1.0024, 500=0.95486 (USD)", RoHS="RoHS Compliant", Stock 1=8750, Supplier 1=Digi-Key, Washable=Yes
U1: library part ER-TFT020-2, "2.0\" 320x240 IPS Display", MANUFACTURER="Buy Display", Manufacturer Part Number=ER-TFT1.54-1
U2: "TVS DIODE 5.5VWM SOT143B", Capacitance @ Frequency="1pF @ 1MHz", Current - Peak Pulse (10/1000µs)=-, MANUFACTURER="NXP Semiconductors", Operating Temperature="-40°C ~ 85°C (TA)", Package / Case="TO-253-4, TO-253AA", Power Line Protection=Yes, Supplier Device Package=SOT-143B, Supplier Part Number 1=568-4140-1-ND, Voltage - Breakdown (Min)=6V, Voltage - Reverse Standoff (Typ)="5.5V (Max)", Applications="General Purpose", Bidirectional Channels=2, Category="Circuit Protection", ComponentLink1Description=http://www.nxp.com/documents/data_sheet/PRTR5V0U2X.pdf, ComponentLink1URL=http://www.nxp.com/documents/data_sheet/PRTR5V0U2X.pdf, Manufacturer Part Number=PRTR5V0U2X,215, Mounting Type="Surface Mount", Packaging="Cut Tape (CT)", Power - Peak Pulse=-, Pricing="1=0.57, 10=0.477, 25=0.418, 100=0.3578, 250=0.31036, 500=0.26286, 1000=0.20265 (USD)", RoHS="RoHS Compliant", Stock=11734, Supplier 1=Digi-Key, Type="Steering (Rail to Rail)", Unidirectional Channels=-, Voltage - Clamping (Max) @ Ipp=-
U3: library part W25Q128JVSIM, "NOR Flash Serial (SPI, Dual SPI, Quad SPI) 3V/3.3V 128M-bit 16M x 8 6ns 8-Pin SOIC Tube", Case/Package=SOIC, Frequency=104MHz, MANUFACTURER=Winbond, Manufacturer Part Number=W25Q64JVSSIQ, Max Operating Temperature=85°C, Max Supply Voltage=3.6V, Min Operating Temperature=-40°C, Min Supply Voltage=2.7V, Operating Supply Voltage=3V, Supplier Part Number 1=W25Q128JVSIM-ND, Access Time=6ns, Address Bus Width=24b, Category=Flash, ComponentLink1Description=http://www.winbond.com/resource-files/w25q64jv%20spi%20revg%2012142016.pdf, ComponentLink1URL=http://www.winbond.com/resource-files/w25q64jv%20spi%20revg%2012142016.pdf, ComponentLink2Description=https://www.winbond.com/resource-files/w25q64jv%20spi%20%20%20revc%2006032016%20kms.pdf, ComponentLink2URL=https://www.winbond.com/resource-files/w25q64jv%20spi%20%20%20revc%2006032016%20kms.pdf, ComponentLink3Description=http://www.winbond.com/resource-files/w25q128jv_dtr%20revc%2003272018%20plus.pdf?src-supplier=Digi-Key, ComponentLink3URL=http://www.winbond.com/resource-files/w25q128jv_dtr%20revc%2003272018%20plus.pdf?src-supplier=Digi-Key, Density=64MB, Interface=SPI,Serial, Memory Size=128Mb, Memory Type=NOR,FLASH, Mount="Surface Mount", Packaging=Tray, Page Size=256B, Pricing 1="1=1.88000, 10=1.71400, 25=1.66760, 50=1.65880, 100=1.48280, 250=1.47852, 500=1.45618, 1000=1.39437, 5000=1.29820 (USD)", RoHS=Yes, RoHS Compliant=Yes, Stock 1=27539, Supplier 1=Digi-Key
U6: library part RT_SUPER_C, "Super Monkey Rev C"
U7 U13: "IC OPAMP 1.8V 1MHZ DUAL 8-SOIC", Current - Input Bias=1pA, Current - Output / Channel=23mA, Current - Supply=100µA, MANUFACTURER="Microchip Technology", Operating Temperature="-40°C ~ 85°C", Package / Case="8-SOIC (0.154\", 3.90mm Width)", Supplier Device Package="8-SOIC N", Supplier Part Number 1=MCP6002-I/SN-ND, Voltage - Input Offset=4.5mV, Voltage - Supply, Single/Dual (±)="1.8 V ~ 6 V", -3db Bandwidth=-, Amplifier Type="General Purpose", Category="Integrated Circuits (ICs)", ComponentLink1Description=http://ww1.microchip.com/downloads/en/DeviceDoc/21733j.pdf, ComponentLink1URL=http://ww1.microchip.com/downloads/en/DeviceDoc/21733j.pdf, Gain Bandwidth Product=1MHz, Manufacturer Part Number=MCP6002-I/SN, Mounting Type="Surface Mount", Number of Circuits=2, Output Type=Rail-to-Rail, Packaging=Tube, Pricing 1="1=0.4, 10=0.33, 25=0.28, 100=0.25 (USD)", RoHS="RoHS Compliant", Slew Rate="0.6 V/µs", Stock 1=45024, Supplier 1=Digi-Key

## Nets (pads, with @x,y where several pads share a name; then routed paths per layer and width w, separated by ;. In a path a pad name is that pad's centre, name@x,y a point inside that pad or via, vN(x,y) a via of type N, cw(c..) or ccw(c..) an arc to the next point about the centre after c; other vN are vias at no path point)
+3v3: C5.2 C6.1 J2.4 J9.9 R5.2 R6.2 R7.2 R38.2 R105.1 R106.1 U1.4 U3.8 U6.50
+5vUSB: L1.2 U1.3 U2.4 U6.55
+ADC_VREF: C2.2 C7.2 POT1.3 POT2.3 POT3.3 U6.1 U7.8 U13.8
+VBATT: J8.1 J9.1 U6.56
+VBATT_BU: J9.3 U6.53
+VSYS: J3.1 U6.57
+VUSB_RAW: J7.A4B9 J7.B4A9 L1.1
FC0_CLK: J10.5 U6.5
FC0_RXD: J10.7 J11.4 J14.4 U6.3
FC0_SSEL0: J10.1 U6.6
FC0_SSEL1: J10.3 Q1.1 R4.1 U6.7
FC0_TXD: J10.9 J11.5 J14.3 U6.4
FC1_CLK: J12.5 U6.8
FC1_RXD: J12.7 U6.10
FC1_SSEL0: J12.1 U6.9
FC1_SSEL1: J12.3 U6.12
FC1_TXD: J12.9 U6.11
FC2_CLK: J13.5 U6.61
FC2_RXD: J13.7 U6.62
FC2_SSEL0: J13.1 U6.58
FC2_SSEL1: J13.3 U6.60
FC2_TXD: J13.9 U6.59
FC3_CLK: J15.5 U6.71
FC3_RXD: J15.7 U6.72
FC3_SSEL0: J15.1 U6.68
FC3_SSEL1: J15.3 U6.69
FC3_TXD: J15.9 U6.70
FC4_CLK: J16.5 U6.67
FC4_RXD: J16.7 U6.64
FC4_SSEL0: J16.1 U6.66
FC4_SSEL1: J16.3 U6.63
FC4_TXD: J16.9 U6.65
FC5_CLK: J17.5 U1.9 U6.47
FC5_RXD: J17.7 U6.42
FC5_SSEL0: J17.3 U1.8 U6.44
FC5_TXD: J17.9 U1.10 U6.46
FS0B_CLK: J18.9 R11.1 U6.20
FS0B_CS: J18.10 J20.7 R8.1 U6.28
FS0B_DATA0: J18.1 R12.1 U6.13
FS0B_DATA1: J18.3 R15.1 U6.14
FS0B_DATA2: J18.5 R16.1 U6.15
FS0B_DATA3: J18.7 R17.1 U6.16
GND: C1.1 C2.1 C3.1 C4.1 C5.1 C6.2 C7.1 J2.6 J2.CDA J2.M J3.2 J7.A1B12 J7.B1A12 J7.M1 J7.M2 J7.M3 J7.M4 J8.2 J9.2 J9.4 J9.6 J9.8 J9.10 J10.2 J10.4 J10.6 J10.8 J10.10 J11.1 J12.2 J12.4 J12.6 J12.8 J12.10 J13.2 J13.4 J13.6 J13.8 J13.10 J14.5 J15.2 J15.4 J15.6 J15.8 J15.10 J16.2 J16.4 J16.6 J16.8 J16.10 J17.2 J17.4 J17.6 J17.8 J17.10 J18.2 J18.4 J18.6 J19.2 J19.4 J19.6 J19.8 J19.10 J20.2 J20.4 J20.6 J20.8 J20.10 POT1.1 POT1.4 POT2.1 POT2.4 POT3.1 POT3.4 Q1.2 R1.1 R2.1 R4.2 R10.1 R14.1 R49.1 SW1.A SW2.2 SW2.4 SW3.2 SW3.4 SW4.2 SW4.4 U1.1 U1.5 U1.6 U1.12 U2.1 U3.4 U6.54 U6.M U7.4 U13.4
ISP0: R5.1 SW2.1 SW2.3 U6.17
ISP1: R6.1 SW3.1 SW3.3 U6.18
ISP2: R7.1 SW4.1 SW4.3 U6.19
LCD_DISP: U1.11 U6.76
LCD_EXTCOM: U1.7 U6.75
MCLK: J17.1 U6.48
NetC1_2: C1.2 R48.2 R49.2 U13.5
NetC3_2: C3.2 R9.2 R10.2 U7.3
NetC4_2: C4.2 R13.2 R14.2 U7.5
NetJ7_A5: J7.A5 R2.2
NetJ7_B5: J7.B5 R1.2
NetPOT1_2: POT1.2 R9.1
NetPOT2_2: POT2.2 R13.1
NetPOT3_2: POT3.2 R48.1
NetQ1_3: Q1.3 R3.1
NetR3_2: R3.2 U1.2
NetR8_2: R8.2 U3.1
NetR11_2: R11.2 U3.6
NetR12_2: R12.2 U3.5
NetR15_2: R15.2 U3.2
NetR16_2: R16.2 U3.3
NetR17_2: R17.2 U3.7
PDM_CLK_01: J19.3 U6.22
PDM_CLK_23: J19.7 U6.24
PDM_CLK_56: J20.3 U6.26
PDM_CLK_78: J18.8 J20.5 U6.27
PDM_DAT_01: J19.1 U6.21
PDM_DAT_23: J19.5 U6.23
PDM_DAT_56: J20.1 U6.25
PMIC_ON: J9.5 U6.52
POT1: U6.2 U7.1 U7.2
POT2: U6.73 U7.6 U7.7
POT3: U6.74 U13.6 U13.7
POT_SW1: POT1.5 POT2.5 POT3.5 U6.37
POT_SW2: U6.38
POT_SW3: U6.39
RST: SW1.B U6.49
SD_CD: J2.CDB R38.1 U6.36
SD_CLK: J2.5 U6.34
SD_CMD: J2.3 U6.29
SD_D0: J2.7 U6.30
SD_D1: J2.8 U6.31
SD_D2: J2.1 U6.32
SD_D3: J2.2 U6.33
SELECT_3: U6.35
SYS_SCL: R106.2 U6.41
SYS_SDA: R105.2 U6.40
TEMP_SENSE: J9.7 U6.51
USB_N: J7.A7 J7.B7 U2.2 U6.43
USB_P: J7.A6 J7.B6 U2.3 U6.45
pads on no net: H1.1 H2.1 H3.1 H4.1 J7.71 J7.A8 J7.ALIGN1 J7.B8 J8.M1 J8.M2 J11.2 J11.3 J11.6 J14.1 J14.2 J14.6 J14.A J14.B J14.C J14.D J14.E J14.F J14.G J19.9 J20.9 POT1.MH1 POT1.MH2 POT2.MH1 POT2.MH2 POT3.MH1 POT3.MH2 U13.1 U13.2 U13.3

## Silkscreen, mask and mechanical layers (free items; w line width, h text height)
Board Outline:
  circle w10: c0,0 r3000.1

## Text inside footprints (layer, text, board x,y; h text height)
J2: Mechanical 1 "CARD EJECT" at -345.87,-3132.28 h9.84; Mechanical 1 "OVERSTROKE" at -349.8,-2944.29 h9.84; Mechanical 1 "LOCK" at -291.73,-2974.8 h9.84
J9: Top Overlay "1" at 1900,1750 h100 r270
J10: Top Overlay "1" at -1500,2150 h100
J12: Top Overlay "1" at -1900,1250 h100 r90
J13: Top Overlay "1" at 1000,2150 h100
J15: Top Overlay "1" at -750,2650 h100
J16: Top Overlay "1" at 250,2650 h100
J17: Top Overlay "1" at 1900,-1250 h100 r270
J18: Top Overlay "1" at -2100,-1250 h100 r270
J19: Top Overlay "1" at -500,-2150 h100 r180
J20: Top Overlay "1" at 1000,-2150 h100 r180
SW2: Top Overlay "ON" at -455,-1772.18 h32 r270
SW3: Top Overlay "ON" at 45,-1765 h32 r270
SW4: Top Overlay "ON" at 545,-1772.18 h32 r270
U1: Top Overlay "1" at 2320,288.74 h100 r270
U6: Top Overlay "1" at -516,437 h50; Top Overlay "2" at -517,388 h50; Top Overlay "20" at -470,-518 h50; Top Overlay "76" at -475,484 h50; Top Overlay "39" at 470,-468 h50; Top Overlay "58" at 427,483 h50; Top Overlay "Super Monkey" at -418,-450 h236.22; Bottom Overlay "1" at -525,437 h50; Bottom Overlay "2" at -616,382 h50; Bottom Overlay "20" at -428,-518 h50; Bottom Overlay "76" at -429,484 h50; Bottom Overlay "39" at 516,-470 h50; Bottom Overlay "58" at 470,483 h50; Bottom Overlay "M" at 400,-200 h1181.1